# Altium PCB PCBOntwerp.PcbDoc
Units mil, origin at the board's own origin, x right, y up, seen from the top; angles counter-clockwise.
Board outline 7230 x 2841 mil, 2 copper layers (Top Layer, Bottom Layer); 26 components, 38 nets, 188 pads, 38 vias.
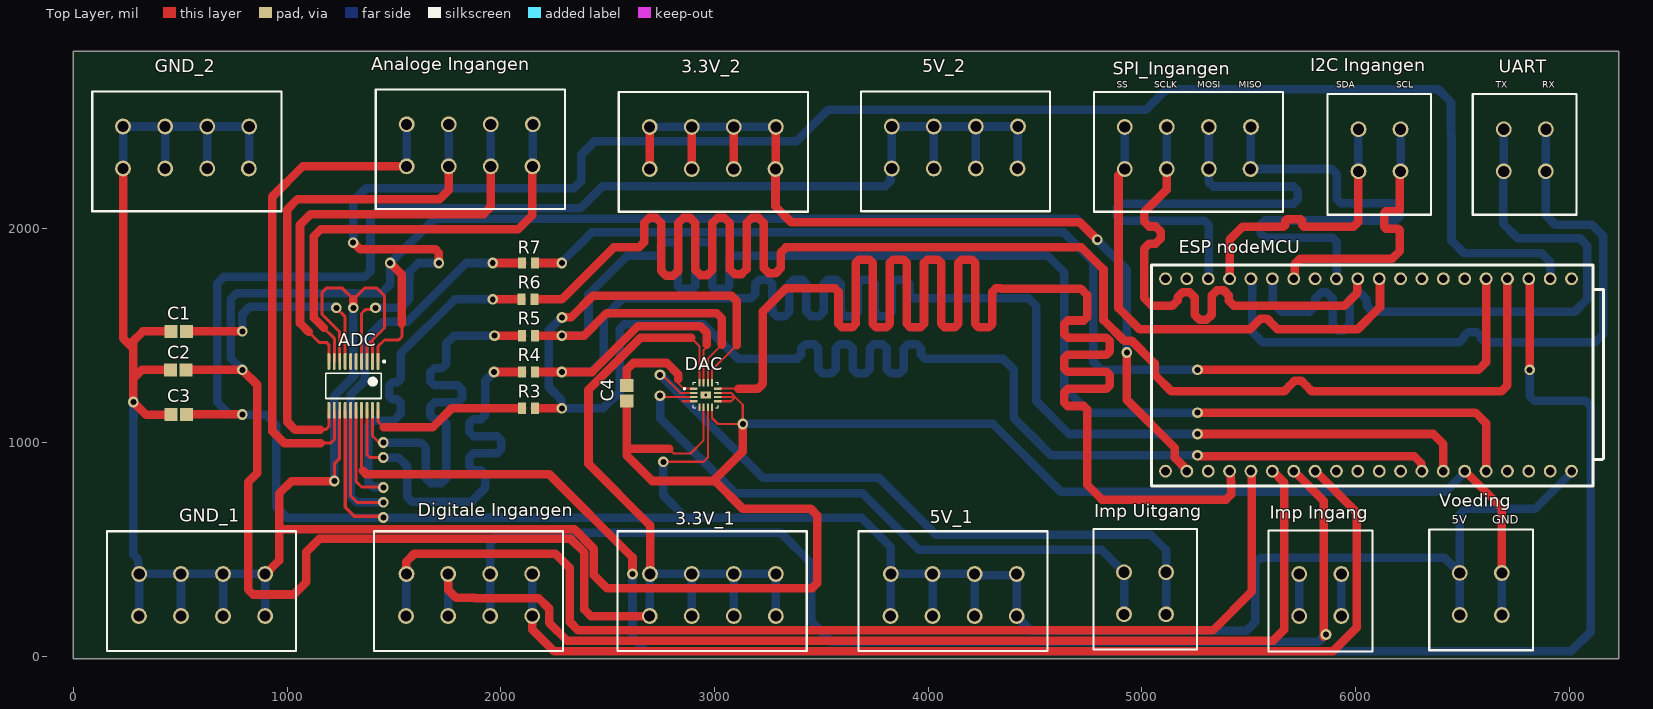
[diagram p0: Top Layer view]
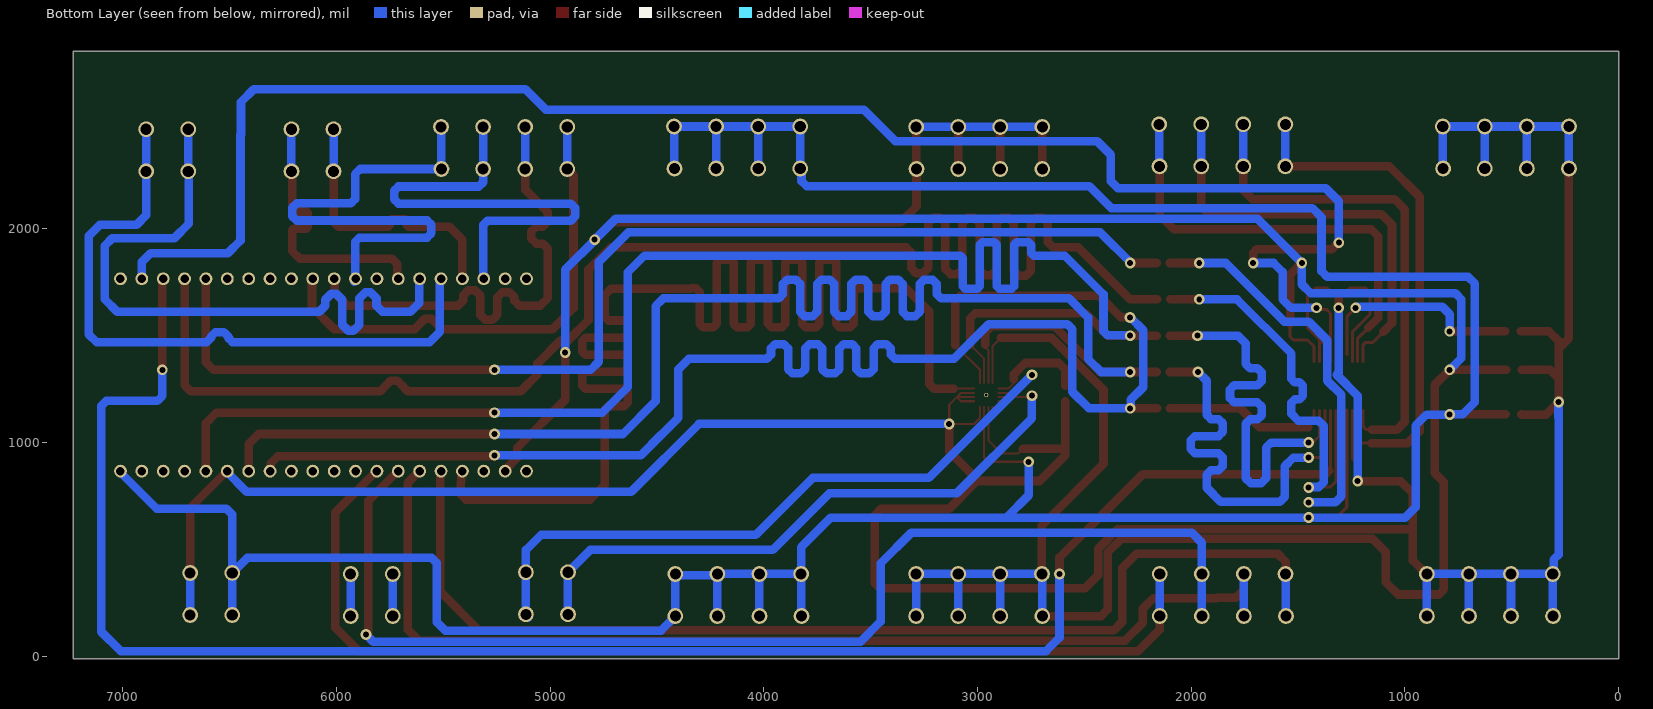
[diagram p1: Bottom Layer view, seen from below]
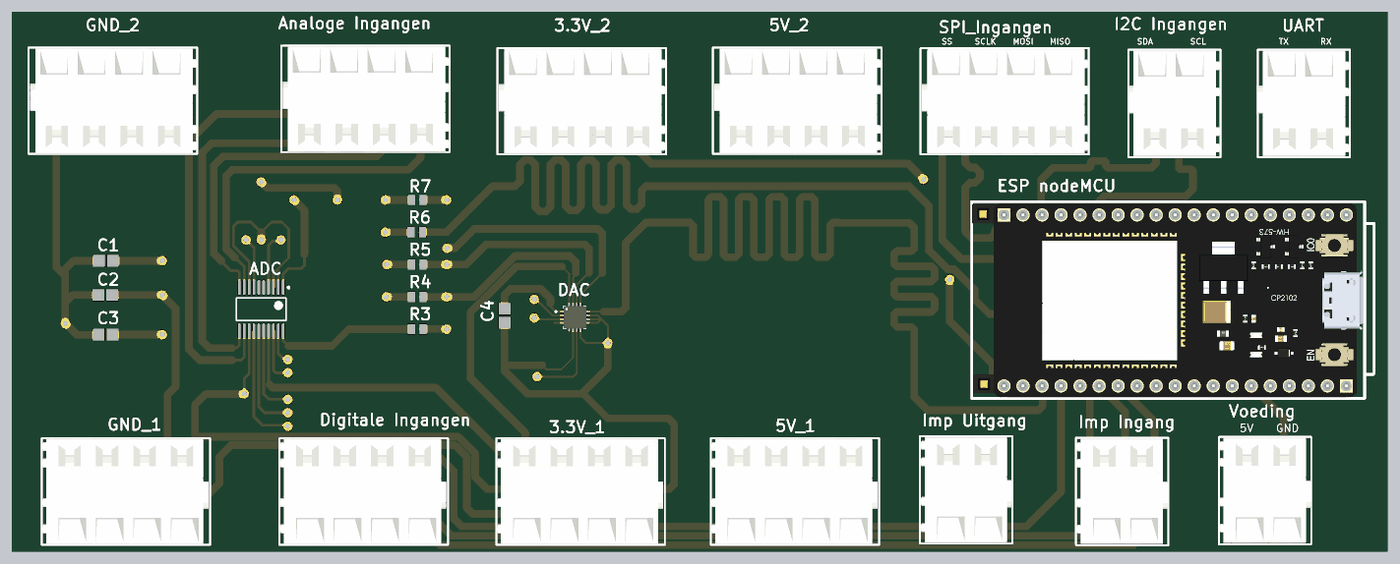
[diagram p2: 3D render of the assembled board from above, using the file's embedded part models]

## Layer stack, top to bottom
Top Solder: solder mask 0.4, Solder Resist, Dk 3.5
Top Layer: signal copper 1.4
Dielectric 1: dielectric 12.6, FR-4, Dk 4.8
Bottom Layer: signal copper 1.4
Bottom Solder: solder mask 0.4, Solder Resist, Dk 3.5

## Board outline
0,-11 7230,-11 7230,2830 0,2830

## Design rules (kind name [scope] priority, off if disabled: settings)
Clearance Clearance_1 [All] p1: gap=10 ignorepadtopadclearanceinfootprint=TRUE except(0: Arc-Hole Track-Hole SMDPad-Hole THPad-Hole Via-Hole Fill-Hole Poly-Hole Region-Hole Text-Hole; 4: Arc-Arc Arc-Track Arc-SMDPad Track-Track Track-SMDPad SMDPad-SMDPad)
Length "Net 19" [InNet('NetADC_19')] p1: maxlimit=2040 minlimit=2035
Length "Net 18" [InNet('NetADC_18')] p2: maxlimit=2040 minlimit=2035
Length "Net 16" [InNet('NetADC_16')] p3: maxlimit=2040 minlimit=2035
Length "SS DAC" [InNet('SS DAC')] p4: maxlimit=7520 minlimit=7510
Length SCLK [InNet('SCLK')] p5: maxlimit=7520 minlimit=7515
Length "SS ADC" [InNet('SS ADC')] p6: maxlimit=7520 minlimit=7515
Length MOSI [InNet('MOSI')] p7: maxlimit=7520 minlimit=7515
Length MISO [InNet('MISO')] p8: maxlimit=7520 minlimit=7515
Length "MISO OUTBOARD" [InNet('MISO OUTBOARD')] p9: maxlimit=2340 minlimit=2335
Length "MOSI OUTBOARD" [InNet('MOSI OUTBOARD')] p10: maxlimit=2340 minlimit=2335
Length "SCLK OUTBOARD" [InNet('SCLK OUTBOARD')] p11: maxlimit=2340 minlimit=2335
Length "SS OUTBOARD" [InNet('SS OUTBOARD')] p12: maxlimit=2340 minlimit=2335
Length "I2C SDA" [InNet('I2C SDA')] p13: maxlimit=1295 minlimit=1290
Length "I2C SCL" [InNet('I2C SCL')] p14: maxlimit=1295 minlimit=1290
Length TX [InNet('TX')] p15: maxlimit=3150 minlimit=3145
Length RX [InNet('RX')] p16: maxlimit=3150 minlimit=3145
PolygonConnect [All] p1: connectstyle=Relief reliefconductorwidth=10 reliefentries=4 polygonreliefangle="90 Angle" airgapwidth=10
RoutingVias [All] p1: holewidth=28 width=50 viastyle="Through Hole" minholewidth=28 minwidth=50 maxholewidth=28 maxwidth=50
SolderMaskExpansion [All] p1: expansion=4
Width [All] p1: maxlimit=40 minlimit=10 preferedwidth=14 minimp=50.000000 maximp=50.000000 favimp=50.000000
30 further rules are at their usual default settings.

## Components (designator, comment, footprint, x,y, rotation, side; value= is the part's Value field where it differs from the comment)
3.3V_1 "3.3V_4Pins" TBL007A-500-04GY#1 2696.3,385 r270 top
3.3V_2 "3.3V_4Pins_2" TBL007A-500-04GY#1 3286.85,2280 r90 top
5V_1 "5V_4pins" TBL007A-500-04GY#1 3823.15,385 r270 top
5V_2 "5V_4pins" TBL007A-500-04GY#1 4419.55,2282 r90 top
ADC "ADC1247smd" TI-PW20_M 1310,1265 r270 top
"Analoge Ingangen" "Analoge_Ingangen" TBL007A-500-04GY#1 2149.7,2292.15 r90 top
C1 "1uF" CAPC2013X94X50ML20T25 493.58,1520 r0 top
C2 "0.1 uF" CAPC2013X94X50ML20T25 490,1340 r180 top
C3 "0.1 uF" CAPC2013X94X50ML20T25 492,1131 r180 top
C4 "1nF" CAPC2013X94X50ML20T25 2589,1230.42 r270 top
DAC "DAC7051" QFN50P300X300X80-17N 2958.69,1222.47 r0 top
"Digitale Ingangen" "Digitale_Ingangen" TBL007A-500-04GY#1 1556.3,385 r270 top
"ESP nodeMCU" "ESP32_nodeMCU" esp32_nodemcu_v2 5110,866.17 r90 top
GND_1 "GND_4Pins" TBL007A-500-04GY#1 306.3,385 r270 top
GND_2 "GND_4Pins_2" TBL007A-500-04GY#2 822.7,2282 r90 top
"I2C Ingangen" "I2C_2Pins" TBL007A-500-02GY#1 6013,2466 r270 top
"Imp Ingang" "Impendance_In" TBL007A-500-02GY#2 5932.85,188 r90 top
"Imp Uitgang" "Impendance_Out" TBL007A-500-02GY#2 5112.85,196.15 r90 top
R3 "47 ohm" 754-RG2012N-470-W-T1 2130,1160 r0 top
R4 "47 ohm" 754-RG2012N-470-W-T1 2130,1330 r180 top
R5 "47 ohm" 754-RG2012N-470-W-T1 2130,1500 r180 top
R6 "47 ohm" 754-RG2012N-470-W-T1 2128,1670 r180 top
R7 "47 ohm" 754-RG2012N-470-W-T1 2130,1840 r180 top
SPI_Ingangen "SPI_ingang4Pins" TBL007A-500-04GY#1 5510,2280 r90 top
UART "UART_2PINS" TBL007A-500-02GY#2 6693,2466 r270 top
Voeding "Voeding" TBL007A-500-02GY#2 6684,193 r90 top

## Footprints (in the part's own frame and the unit in brackets; to place one, negate y for a bottom-side part, rotate by r counter-clockwise, add the part's x,y. Pads: shape width x height; smd on the part's side, far side on the other; paste and mask are expansions set on the pad)
754-RG2012N-470-W-T1 [mm] "Chip Resistor, 2-Leads, Body 2.00x1.25mm, IPC High Density"
  rect 0.95x1.35 smd: 1(-0.775,0) 2(0.775,0)
  body extent -1.1,-0.72 1.1,0.72, height 0.5
CAPC2013X94X50ML20T25 [mm] "Chip Capacitor, 2-Leads, Body 2.01x1.25mm, IPC Low Density"
  rect 1.55x1.55 smd: 1(-0.925,0) 2(0.925,0)
  body extent -1.1,-0.72 1.11,0.72, height 0.94
esp32_nodemcu_v2 [mil]
  round 60 hole 40: 1(0,-100) 2(0,-200) 3(0,-300) 4(0,-400) 5(0,-500) 6(0,-600) 7(0,-700) 8(0,-800) 9(0,-900) 10(0,-1000) 11(0,-1100) 12(0,-1200) 13(0,-1300) 14(0,-1400) 15(0,-1500) 16(0,-1600) 17(0,-1700) 18(0,-1800) 19(0,-1900) 20(900,-100) 21(900,-200) 22(900,-300) 23(900,-400) 24(900,-500) 25(900,-600) 26(900,-700) 27(900,-800) 28(900,-900) 29(900,-1000) 30(900,-1100) 31(900,-1200) 32(900,-1300) 33(900,-1400) 34(900,-1500) 35(900,-1600) 36(900,-1700) 37(900,-1800) 38(900,-1900) NVT(0,0) NVT(900,0)
  silkscreen extent -70,-2050 965,65, body extent -65,-1991 955,65, height 681
QFN50P300X300X80-17N [mm]
  rrect25% 0.89x0.26 smd: 1(-1.44,0.75) 2(-1.44,0.25) 3(-1.44,-0.25) 4(-1.44,-0.75) 9(1.44,-0.75) 10(1.44,-0.25) 11(1.44,0.25) 12(1.44,0.75)
  rrect25% 0.26x0.89 smd: 5(-0.75,-1.44) 6(-0.25,-1.44) 7(0.25,-1.44) 8(0.75,-1.44) 13(0.75,1.44) 14(0.25,1.44) 15(-0.25,1.44) 16(-0.75,1.44)
  rect 1.2x0.8 smd paste-2: 17(0,0)
  round 0.5 hole 0.3: 18(0,0)
  silkscreen extent -2.63,-1.5 1.5,1.5, body extent -1.5,-1.5 1.5,1.5, height 0.8
TBL007A-500-02GY#1 [mil]
  round 74 hole 52: 1(0,0) 2(0,196.85) 3(196.85,196.85) 4(196.85,0)
  silkscreen extent -165,-145 400,340, body extent -159,-145 396,335, height 504
TBL007A-500-02GY#2 [mil]
  round 74 hole 52: 1(0,0) 2(0,196.85) 4(196.85,0)
  round 73.82 hole 52: 3(196.85,196.85)
  silkscreen extent -165,-145 400,340, body extent -159,-145 396,335, height 504
TBL007A-500-04GY#1 [mil]
  round 74 hole 52: 1(0,1.85) 2(0,196.85) 3(0,393.7) 4(0,590.55) 5(196.85,590.55) 6(196.85,393.7) 7(196.85,196.85) 8(196.85,0)
  silkscreen extent -200,-150 360,735, body extent -200,-147 355,727, height 504
TBL007A-500-04GY#2 [mil]
  round 74 hole 52: 1(0,1.85) 2(0,196.85) 3(0,393.7) 4(0,590.55) 5(196.85,590.85) 6(196.85,393.7) 7(196.85,196.85) 8(196.85,0)
  silkscreen extent -200,-150 360,735, body extent -200,-147 355,727, height 504
TI-PW20_M [mm] "SOP, 20-Leads, Body 6.5x4.4mm, Pitch 0.65mm, IPC Low Density"
  oval 2x0.35 smd: 1(-2.9,2.925) 2(-2.9,2.275) 3(-2.9,1.625) 4(-2.9,0.975) 5(-2.9,0.325) 6(-2.9,-0.325) 7(-2.9,-0.975) 8(-2.9,-1.625) 9(-2.9,-2.275) 10(-2.9,-2.925) 11(2.9,-2.925) 12(2.9,-2.275) 13(2.9,-1.625) 14(2.9,-0.975) 15(2.9,-0.325) 16(2.9,0.325) 17(2.9,0.975) 18(2.9,1.625) 19(2.9,2.275) 20(2.9,2.925)
  silkscreen extent -3.02,-3.3 1.5,3.78, body extent -2.25,-3.3 2.25,3.3, height 1.2

## Part data
C1 C2 C3 C4: library part CMP-2007-04171-1, Manufacturer="AVX Interconnect / Elco", Part Number=08051C104JAT2A
R3 R4 R5 R6 R7: library part CMP-2001-04866-1, Manufacturer=Susumu, Part Number=RG2012N-470-W-T1

## Via types
v1: diameter 50, hole 28, Top Layer to Bottom Layer, 38 vias

## Nets (pads, with @x,y where several pads share a name; then routed paths per layer and width w, separated by ;. In a path a pad name is that pad's centre, name@x,y a point inside that pad or via, vN(x,y) a via of type N, cw(c..) or ccw(c..) an arc to the next point about the centre after c; other vN are vias at no path point)
3.3V: 3.3V_1.1 3.3V_1.2 3.3V_1.3 3.3V_1.4 3.3V_1.5 3.3V_1.6 3.3V_1.7 3.3V_1.8 3.3V_2.1 3.3V_2.2 3.3V_2.3 3.3V_2.4 3.3V_2.5 3.3V_2.6 3.3V_2.7 3.3V_2.8 "ESP nodeMCU.1" ADC.1 C2.1 DAC.16 | length 16504.3
  Top Layer w10: 2890,1490 2929.17,1450.83 DAC.16
  Top Layer w14: ADC.1 1425.16,1450.05 1455.11,1480 1521.8,1480 1537.12,1495.33 1537.12,1554.9
  Top Layer w40: C2.1 v1(790,1340) 860,1270 860,857 817,814 817,312.43 840.43,289 1031,289 1090,348 1090,489 1151,550 2326,550 2391,485 2391,218 2420.85,188.15 2673.3,188.15 3.3V_1.8@2684.8,176.65 ; v1(1482.23,1840) 1537.12,1785.1 1537.12,1554.9 ; 3.3V_2.4 3.3V_2.5 ; 3.3V_1.1 2698.15,612.28 2410,900.43 2410,1247.01 2652.99,1490 2890,1490 ; 3.3V_2.3 3.3V_2.6 ; 3.3V_2.2 3.3V_2.7 ; 3.3V_2.8 3285.93,2475.93 3285.93,2280.93 3.3V_2.1 3285,2105 3359,2031 4709,2031 v1(4791,1949) ; v1(4929,1421) 4929,1200 5154,975 5154,928.41 5212,870.41 5212,865 ; 5206.41,874.69 5211.83,874.69
  Bottom Layer w40: v1(790,1340) 735,1395 735,1670 764,1699 1441,1699 1482.23,1740.23 v1(1482.23,1840) 1689.23,2047 4692.59,2047 4790.59,1949 v1(4791,1949) 4791,1946.97 4929,1808.97 v1(4929,1421) ; 3.3V_1.8 2697.22,189.08 2697.22,384.08 3.3V_1.1 3.3V_1.2 ; 3.3V_2.5 3.3V_2.6 3.3V_2.7 3.3V_2.8 ; 3.3V_1.7 3.3V_1.2 ; 3.3V_1.6 3.3V_1.3 ; 3.3V_1.5 3.3V_1.4 3.3V_1.3 ; 3.3V_1.2 3.3V_1.3
5V: 5V_1.1 5V_1.2 5V_1.3 5V_1.4 5V_1.5 5V_1.6 5V_1.7 5V_1.8 5V_2.1 5V_2.2 5V_2.3 5V_2.4 5V_2.5 5V_2.6 5V_2.7 5V_2.8 "ESP nodeMCU.19" ADC.14 C3.1 DAC.7 Voeding.2 Voeding.3 | length 15824.8
  Top Layer w10: v1(2760,910) 2948.85,910 2968.54,929.68 DAC.7
  Top Layer w15: ADC.14 1271.61,697.39 1314.39,654.61 1444.39,654.61 v1(1450,649)
  Top Layer w40: C3.1@528.42,1131.9 v1@765.19,1131.9 ; 5V_1.1@3824.07,384.08 5V_1.1 ; 5V_1.4 5V_1.4@4416,382.7 ; 7006.17,862.35 7010,866.17
  Bottom Layer w40: v1(2760,910) 2760,753 2864,649 v1(1450,649) 998,649 950,697 950,1079 898,1131 v1(790,1131) 788.09,1132.91 728.09,1132.91 672,1189 672,1744 704,1776 1364,1776 1390,1802 1390,2054 1432.8,2096.8 2373.37,2096.8 2476.57,2200 3799.72,2200 3823.15,2223.43 3823.15,2276.15 5V_2.4 5V_2.5 5V_2.6 ; 2865,648 3687,648 3825,510 5V_1.1 ; 5V_1.8 3824.07,189.08 3824.07,384.08 5V_1.1 ; 5V_1.7 5V_1.2 ; 5V_2.3 5V_2.6 ; 5V_1.6 5V_1.3 ; 5V_2.2 5V_2.7 ; 5V_2.1 4418.62,2282.93 4418.62,2477.93 5V_2.8 5V_2.7 ; Voeding.2 Voeding.3 ; 7013.83,863.83 6841,691 6515,691 6487.15,663.15 Voeding.3 ; 5V_1.1 5V_1.2 ; 5V_1.2 5V_1.3 ; 5V_2.6 5V_2.7 ; 5V_1.3 4221.85,380 4408.7,380 5V_1.4 5V_1.5 4413.7,186.3 4480,120 5490,120 5530,160 5530,436.57 5553.43,460 6417,460 Voeding.3
A01: "Analoge Ingangen.1" "Analoge Ingangen.8" ADC.9 | length 2117.7
  Top Layer w14: 1171.75,1536.45 1220.43,1487.77 ADC.9
  Top Layer w40: 1171.75,1536.45 1125.28,1582.93 1125.28,1966.28 1158,1999 2082.34,1999 2147.85,2064.51 2147.85,2292.15 2148.78,2293.07 ; 2148.78,2488.07 2149.7,2489
  Bottom Layer w40: 2147.85,2292.15 2148.78,2293.07 2148.78,2488.07 2149.7,2489
A02: "Analoge Ingangen.2" "Analoge Ingangen.7" ADC.10 | length 2029.4
  Top Layer w14: 1100,1518.71 1151.21,1467.5 1185.3,1467.5 1194.84,1457.96 ADC.10
  Top Layer w40: 1100,1518.71 1060,1558.71 1060,2019 1110,2069 1919,2069 1952.85,2102.85 1952.85,2292.15
  Bottom Layer w40: 1952.85,2292.15 1952.85,2489
A03: "Analoge Ingangen.4" "Analoge Ingangen.5" ADC.12 | length 2438.5
  Top Layer w14: 1158,997 1203,997 1220.43,1014.43 ADC.12
  Top Layer w40: 1158,997 987,997 930,1054 930,2150 1072.15,2292.15 1559.15,2292.15
  Bottom Layer w40: 1559.15,2292.15 1559.15,2489
A04: "Analoge Ingangen.3" "Analoge Ingangen.6" ADC.11 | length 2387
  Top Layer w14: 1155,1060 1180,1060 1194.84,1074.84 ADC.11
  Top Layer w40: 1155,1060 1037,1060 1000,1097 1000,2090 1049,2139 1714,2139 1756,2181 1756,2292.15
  Bottom Layer w40: 1756,2292.15 1756,2489
D01: "Digitale Ingangen.1" "Digitale Ingangen.8" "ESP nodeMCU.4" | length 5159.1
  Top Layer w40: 1558.15,385 1558.15,443.15 1595,480 2255,480 2322,413 2322,161 2361.85,121.15 5331.9,121.15 5513.83,303.07 5513.83,863.83
  Bottom Layer w40: 1556.3,188.15 1557.22,189.08 1557.22,384.08 1558.15,385
D02: "Digitale Ingangen.2" "Digitale Ingangen.7" "ESP nodeMCU.5" | length 5102.8
  Top Layer w40: 1753.15,385 1753.15,310.85 1791,273 1879,273 1880,272 2176,272 2226,222 2226,156 2309,73 5614,73 5665.7,124.7 5665.7,811.95 5613.83,863.83
  Bottom Layer w40: 1753.15,188.15 1753.15,385
D03: "Digitale Ingangen.3" "Digitale Ingangen.6" "ESP nodeMCU.6" | length 5502.3
  Top Layer w40: 5713.83,863.83 5850,727.65 5850,91 v1(5861,102)
  Bottom Layer w40: 1950,188.15 1950,385 1950,531 1996.43,577.43 3309.63,577.43 3453,434.06 3453,162 3547,68 5827,68 v1(5861,102)
D04: "Digitale Ingangen.4" "Digitale Ingangen.5" "ESP nodeMCU.7" | length 5015.3
  Top Layer w40: 2146.85,188.15 2146.85,125.15 2249,23 2510,23 5894,23 6005,134 6005,672.65 5813.83,863.83
  Bottom Layer w40: 2146.85,188.15 2146.85,385
DRDY: "ESP nodeMCU.36" ADC.17 | length 8535.2
  Top Layer w14: 1348.39,868.61 ADC.17
  Top Layer w40: 1353.8,868.61 1370.41,852 2226,852 2616,462 v1@2616,393 ; v1(6813.83,1340) 6813.83,1763.83
  Bottom Layer w40: v1(2616,385) 2616,87 2679,24 7009,24 7100,115 7100,1171.57 7076.57,1195 6837.26,1195 6813.83,1218.43 v1(6813.83,1340)
GND: "ESP nodeMCU.14" ADC.2 ADC.3 ADC.8 ADC.13 C1.1 C2.2 C3.2 C4.2 DAC.6 DAC.8 DAC.9 DAC.10 DAC.11 GND_1.1 GND_1.2 GND_1.3 GND_1.4 GND_1.5 GND_1.6 GND_1.7 GND_1.8 GND_2.1 GND_2.2 GND_2.3 GND_2.4 GND_2.5 GND_2.6 GND_2.7 GND_2.8 Voeding.1 Voeding.4 | length 18537.5
  Top Layer w10: 2787.14,970.43 2808.57,949 2887.57,949 2948.85,1010.28 DAC.6 ; DAC.8 2988.22,1114.78 3016,1087 v1(3132,1087) 3132,1177 3096.37,1212.63 ; DAC.9 3076.68,1192.94 3096.37,1212.63 ; DAC.10 3096.37,1212.63 ; DAC.11 3076.69,1232.31 3096.37,1212.63
  Top Layer w14: v1(1220.43,820) 1220.43,900.43 1246.02,926.02 ADC.13 ; ADC.8 1246.02,1516.9 1164,1598.93 1164,1703 1185,1724 1256,1724 1310,1670 1364,1724 1417.69,1724 1455.11,1686.58 1455.11,1535.69 1373.98,1454.56 ADC.3 ; ADC.2 1399.57,1477.01
  Top Layer w40: GND_2.4 232.15,1487.85 280,1440 ; C2.2 320,1340 280,1300 ; C3.2@455.58,1131.9 453.68,1130 340,1130 v1(280,1190) 280,1300 ; C1.1 325,1520 280,1475 280,1440 ; GND_1.4@892.55,377.85 962.09,447.39 962.09,610 ; v1(1220.43,820) 1218.52,818.09 1019.09,818.09 962.09,761.09 962.09,610 ; v1(1310,1630) 1310,1670 ; C4.2 2589,970.43 ; 2787.14,970.43 2589,970.43 ; v1(3132,1087) 3132,958 2994,820 ; 6513.83,863.83 6684,693.65 Voeding.4 ; 280,1300 280,1440 ; 962.09,610 978.09,594 2344.23,594 2435,503.23 2435,380.15 2497.15,318 3456.57,318 3480,341.43 3480,660 3450,690 3132,690 3002,820 2994,820 ; 2589,970.43 2589,939.61 2708.61,820 2994,820
  Bottom Layer w40: GND_2.4 232,2282.15 232,2478.7 GND_2.5 GND_2.6 ; 281.91,1119.09 281.91,1188.09 v1(280,1190) 280,476 303.85,452.15 GND_1.1@303.85,385 ; GND_1.8 307.23,189.08 307.23,384.08 GND_1.1 GND_1.2 ; GND_2.3 GND_2.6 ; GND_1.7 GND_1.2 ; GND_2.2 GND_2.7 ; GND_1.6 GND_1.3 ; GND_2.1 821.78,2282.93 821.78,2477.93 GND_2.8 GND_2.7 ; GND_1.5 GND_1.4 GND_1.3 ; v1(1220.43,820) 1220.43,1218.43 1319,1317 1310,1326 v1(1310,1630) ; v1(3132,1087) 4303,1087 4620,770 6420,770 6513.83,863.83 ; Voeding.1 Voeding.4 ; GND_2.6 GND_2.7 ; GND_1.2 GND_1.3
"I2C SCL": "ESP nodeMCU.22" "I2C Ingangen.1" "I2C Ingangen.4" | length 1295
  Top Layer w40: 5410,1775.87 5410,1949 5471,2010 5630,2010 5662,2010 5670,2018 5670,2037.04 5678,2045.04 5742,2045.04 5750,2037.04 5750,2018 5758,2010 5950,2010 5989.57,2010 6013,2033.43 6013,2269.15
  Bottom Layer w40: 6013,2269.15 6013,2466
"I2C SDA": "ESP nodeMCU.25" "I2C Ingangen.2" "I2C Ingangen.3" | length 1294.1
  Top Layer w40: 5704.35,1763.52 5708.17,1767.35 ; 5713.83,1763.83 5713.83,1833.83 5740,1860 6170,1860 6206.85,1896.85 6206.85,1961 6206.85,1993 6198.85,2001 6140.9,2001 6132.9,2009 6132.9,2073 6140.9,2081 6198.85,2081 6206.85,2089 6206.85,2147 6206.85,2266.15 6209.85,2269.15
  Bottom Layer w40: 6209.85,2269.15 6209.85,2466
IMP0: "Imp Uitgang.1" "Imp Uitgang.4" DAC.2 | length 3192.9
  Top Layer w10: v1@2754,1317.09 2838.77,1232.31 DAC.2
  Bottom Layer w40: v1(2745,1317.09) 3227.09,835 3770,835 4037,568 5042,568 5112.85,497.15 5112.85,393 5112.85,196.15 ; 5102.75,179.73 5103.68,180.65
IMP1: "Imp Uitgang.2" "Imp Uitgang.3" DAC.3 | length 2931.1
  Top Layer w10: v1(2745,1219) 2751.25,1212.75 2901.88,1212.75 DAC.3
  Bottom Layer w40: v1(2745,1219) 2745,1114 3096.5,762.5 3692.5,762.5 3957.57,497.43 4811.57,497.43 4916,393 4916,196.15
IMP2: "Imp Ingang.1" "Imp Ingang.4" | length 196.9
  Bottom Layer w40: 5932.85,188 5932.85,384.85
IMP3: "Imp Ingang.2" "Imp Ingang.3" | length 201.9
  Bottom Layer w40: 5736,183 5736,188 5736,384.85
MISO: "ESP nodeMCU.13" DAC.15 R4.1 | length 7492
  Top Layer w10: DAC.15 2948.85,1432.03 2963,1446.18 2963,1457
  Top Layer w40: R4.1 v1(2285,1330) 2427,1330 2642,1545 2932.57,1545 2963,1514.57 2963,1457 ; v1(5260,1040) 6363,1040 6410,993 6410,875.87
  Bottom Layer w40: v1(2285,1330) 2421,1330 2482,1391 2482,1585 2572,1675 3150,1675 3170,1675 3190,1695 3190,1742.14 3210,1762.14 3250,1762.14 3270,1742.14 3270,1675 3270,1611.59 3290,1591.59 3330,1591.59 3350,1611.59 3350,1675 3350,1742.14 3370,1762.14 3410,1762.14 3430,1742.14 3430,1675 3430,1611.59 3450,1591.59 3490,1591.59 3510,1611.59 3510,1675 3510,1742.14 3530,1762.14 3570,1762.14 3590,1742.14 3590,1675 3590,1611.59 3610,1591.59 3650,1591.59 3670,1611.59 3670,1675 3670,1742.14 3690,1762.14 3730,1762.14 3750,1742.14 3750,1675 3750,1611.59 3770,1591.59 3810,1591.59 3830,1611.59 3830,1675 3830,1742.14 3850,1762.14 3890,1762.14 3910,1742.14 3910,1695 3930,1675 4380,1675 4469.57,1675 4506,1638.57 4506,1193 4659,1040 v1(5260,1040)
"MISO OUTBOARD": "ESP nodeMCU.27" SPI_Ingangen.1 SPI_Ingangen.8 | length 2340
  Top Layer w40: SPI_Ingangen.8@5509.07,2475.93 SPI_Ingangen.8 ; 5903.17,1765.35 5906.17,1762.35
  Bottom Layer w40: SPI_Ingangen.1 SPI_Ingangen.1@5509.07,2280.93 ; SPI_Ingangen.8 5509.07,2475.93 SPI_Ingangen.1@5509.07,2280.93 ; 5912,1775.87 5912,1919 5912,1939 5892,1959 5574.92,1959 5554.92,1979 5554.92,2019 5574.92,2039 5912,2039 6186.09,2039 6206.09,2059 6206.09,2099 6186.09,2119 5932,2119 5912,2139 5912,2238.5 5912,2256 5888,2280 5509.07,2280 SPI_Ingangen.1@5509.07,2280.93 ; 5915.83,1752.96 5915.83,1763.83
MOSI: "ESP nodeMCU.15" DAC.14 R5.1 | length 7492
  Top Layer w10: DAC.14 2968.54,1392.54 3033,1457
  Top Layer w40: R5.1 v1(2285,1500) 2389,1500 2495,1606 3009.57,1606 3033,1582.57 3033,1457 ; v1(5260,1140) 6560,1140 6610,1090 6610,875.87
  Bottom Layer w40: v1@2286.91,1500 2288.83,1501.91 2390.91,1501.91 2410,1521 2410,1693 2592,1875 2708.61,1875 2736.61,1875 2748.61,1887 2748.61,1926.09 2760.61,1938.09 2816.61,1938.09 2828.61,1926.09 2828.61,1875 2828.61,1731.91 2840.61,1719.91 2896.61,1719.91 2908.61,1731.91 2908.61,1875 2908.61,1926.09 2920.61,1938.09 2976.61,1938.09 2988.61,1926.09 2988.61,1875 2988.61,1731.91 3000.61,1719.91 3056.61,1719.91 3068.61,1731.91 3068.61,1863 3080.61,1875 3303,1875 4557.57,1875 4637,1795.57 4637,1258 4755,1140 v1(5260,1140)
"MOSI OUTBOARD": "ESP nodeMCU.21" SPI_Ingangen.2 SPI_Ingangen.7 | length 2340
  Bottom Layer w40: 5302.35,1775.87 5306.17,1772.04 ; 5312,1765 5312.57,1765.57 5312.57,1872 5312.57,2018 5292.57,2038 4902.77,2038 4882.77,2058 4882.77,2098 4902.77,2118 5312.57,2118 5709.04,2118 5729.04,2138 5729.04,2178 5709.04,2198 5332.57,2198 5312.57,2218 5312.57,2238 5312.57,2279.43 SPI_Ingangen.2 SPI_Ingangen.7
NetADC_7: ADC.7 C1.2 | length 1032.3
  Top Layer w14: v1(1230,1630) 1271.61,1588.39 ADC.7@1271.61,1411.54 ; v1@1230,1640 v1@1235,1635
  Top Layer w40: C1.2 v1(790,1520)
  Bottom Layer w40: v1(790,1520) 790,1600 825,1635 v1@1225,1635
NetADC_15: ADC.15 R7.2 | length 2374.4
  Top Layer w14: ADC.15 1297.2,750 1327.2,720 v1(1450,720)
  Top Layer w40: v1(1962,1840) R7.2
  Bottom Layer w40: v1(1450,720) 1326,720 1297,749 1297,1223.28 1363,1289.28 1363,1479 1450,1566 1564,1566 1838,1840 v1(1962,1840)
NetADC_16: ADC.16 R6.2 | length 2014.9
  Top Layer w14: ADC.16 1322.8,817 1347.8,792 1448,792 v1(1450,790)
  Top Layer w40: v1(1962,1670) R6.2
  Bottom Layer w40: v1(1450,790) 1448.09,791.91 1402.43,791.91 1379,815.34 1379,1077.57 1402.43,1101 1497.57,1101 1531,1134.43 1531,1162 1531,1186 1515,1202 1493.21,1202 1477.21,1218 1477.21,1266 1493.21,1282 1515,1282 1531,1298 1531,1314 1531,1357 1531,1416 1785,1670 v1(1962,1670)
NetADC_18: ADC.18 R4.2 | length 2012
  Top Layer w14: ADC.18 1373.98,943.2 1387.18,930 v1(1450,930)
  Top Layer w40: v1(1968.09,1330) R4.2
  Bottom Layer w40: v1(1450,930) 1451.91,928.09 1522.91,928.09 1562,889 1562,745.43 1585.43,722 1861,722 1927,788 1927,830 1927,850 1907,870 1871.73,870 1851.73,890 1851.73,930 1871.73,950 1927,950 1982.27,950 2002.27,970 2002.27,1010 1982.27,1030 1927,1030 1871.73,1030 1851.73,1050 1851.73,1090 1871.73,1110 1907,1110 1927,1130 1927,1181 1927,1288.91 v1(1968.09,1330)
NetADC_19: ADC.19 R5.2 | length 2012
  Top Layer w14: ADC.19 1399.57,1030.43 v1@1450,980
  Top Layer w40: v1(1970,1500) R5.2
  Bottom Layer w40: v1(1450,1000) 1625.57,1000 1649,976.57 1649,832.43 1672.43,809 1720.57,809 1744,832.43 1744,1068 1744,1088 1724,1108 1689.87,1108 1669.87,1128 1669.87,1168 1689.87,1188 1744,1188 1798.13,1188 1818.13,1208 1818.13,1248 1798.13,1268 1744,1268 1689.87,1268 1669.87,1288 1669.87,1328 1689.87,1348 1724,1348 1744,1368 1744,1464 1780,1500 v1(1970,1500)
NetADC_20: ADC.20 R3.1 | length 773.9
  Top Layer w14: ADC.20 1425.16,1098.84 1452,1072
  Top Layer w40: 1452,1072 1682,1072 1770,1160 R3.1
NetC4_1: C4.1 DAC.1 | length 474.3
  Top Layer w10: 2830,1296 2830,1278 2856,1252 DAC.1
  Top Layer w40: C4.1 2589,1342 2619.09,1372.09 2776.78,1372.09 2830,1318.87 2830,1296
RESET: "ESP nodeMCU.37" ADC.4 | length 8109.4
  Top Layer w14: ADC.4 1348.39,1603.39 1368.11,1623.11 1406.22,1623.11 v1(1413.11,1630)
  Top Layer w40: v1@1309,1936 1341,1904 1693,1904 1710,1887 v1(1710,1840) v1@1708.09,1841.91
  Bottom Layer w40: v1(1309,1935) 1309,2129 1370,2190 2342.57,2190 2376.43,2223.86 2376.43,2347 2439.28,2409.85 3383.85,2409.85 3532,2558 5020,2558 5115,2653 6386,2653 6446,2593 6446,2443.43 6448.43,2441 6448.43,1945.42 6507.85,1886 6869,1886 6910,1845 6910,1767.65 6913.83,1763.83 ; v1(1413.11,1630) 1532,1630 1572,1670 1572,1798 1614,1840 v1(1710,1840)
RX: "ESP nodeMCU.24" UART.1 UART.4 | length 3150
  Bottom Layer w40: 5612,1765 5612,1653 5653,1612 5772,1612 5784,1612 5812,1640 5812,1674.84 5840,1702.84 5864,1702.84 5892,1674.84 5892,1612 5892,1551.09 5920,1523.09 5944,1523.09 5972,1551.09 5972,1612 5972,1667.91 6000,1695.91 6024,1695.91 6052,1667.91 6052,1640 6080,1612 6291,1612 7025,1612 7084,1671 7084,1920 7048,1956 6758,1956 6691,2023 6691,2267.15 UART.4 UART.1
SCLK: "ESP nodeMCU.12" DAC.13 R3.2 | length 7478
  Top Layer w10: DAC.13 2988.22,1341.22 3103,1456
  Top Layer w40: R3.2@2159.51,1161 v1@2284,1161 ; v1(2286,1585) 2287.91,1586.91 2329.91,1586.91 2430,1687 3079.57,1687 3103,1663.57 3103,1456 ; v1@5263.3,936.57 6273.43,936.57 6306.17,903.83 6306.17,863.83 6310,860
  Bottom Layer w40: v1@2284.09,1586.91 v1(2286,1585) 2283.29,1585 2224,1525.71 2224,1259 2283.09,1199.91 2283.09,1161.91 v1(2285,1160) 2478,1160 2556,1238 2556,1530.57 2579.43,1554 2947,1554 3109,1392 3366,1392 3386,1392 3406,1412 3406,1440.65 3426,1460.65 3466,1460.65 3486,1440.65 3486,1392 3486,1343.35 3506,1323.35 3546,1323.35 3566,1343.35 3566,1392 3566,1440.65 3586,1460.65 3626,1460.65 3646,1440.65 3646,1392 3646,1343.35 3666,1323.35 3706,1323.35 3726,1343.35 3726,1392 3726,1440.65 3746,1460.65 3786,1460.65 3806,1440.65 3806,1392 3806,1343.35 3826,1323.35 3866,1323.35 3886,1343.35 3886,1392 3886,1440.65 3906,1460.65 3946,1460.65 3966,1440.65 3966,1412 3986,1392 4350,1392 4399,1343 4399,1116 4479,1036 4479.23,1036 4575.23,940 v1(5260,940)
"SCLK OUTBOARD": "ESP nodeMCU.28" SPI_Ingangen.3 SPI_Ingangen.6 | length 2340
  Top Layer w40: SPI_Ingangen.3 5115,2278.7 5115,2183 5010,2078 5010,2051 5010,2035 5034,2011 5063.59,2011 5087.59,1987 5087.59,1955 5063.59,1931 5034,1931 5010,1907 5010,1840 5010,1839.36 5010,1799.36 5010,1719.36 5010,1676.43 5046.43,1640 5086.43,1640 5142.43,1640 5166.43,1664 5166.43,1679.83 5190.43,1703.83 5222.43,1703.83 5246.43,1679.83 5246.43,1640 5246.43,1598 5270.43,1574 5302.43,1574 5326.43,1598 5326.43,1640 5326.43,1688.7 5350.43,1712.7 5382.43,1712.7 5406.43,1688.7 5406.43,1664 5430.43,1640 5870,1640 5947,1640 6008.17,1701.17 6008.17,1761.17 6012,1765
  Bottom Layer w40: SPI_Ingangen.3 SPI_Ingangen.6
"SS ADC": "ESP nodeMCU.35" R6.1 | length 7514.2
  Top Layer w40: R6.1 2285,1670 2528,1913 2630,1913 2646,1913 2670,1937 2670,2027.26 2694,2051.26 2726,2051.26 2750,2027.26 2750,1913 2750,1803.48 2774,1779.48 2806,1779.48 2830,1803.48 2830,1913 2830,2027.26 2854,2051.26 2886,2051.26 2910,2027.26 2910,1913 2910,1807.79 2934,1783.79 2966,1783.79 2990,1807.79 2990,1913 2990,2027.26 3014,2051.26 3046,2051.26 3070,2027.26 3070,1913 3070,1812.09 3094,1788.09 3126,1788.09 3150,1812.09 3150,1913 3150,2027.26 3174,2051.26 3206,2051.26 3230,2027.26 3230,1913 3230,1816.4 3254,1792.4 3286,1792.4 3310,1816.4 3310,1889 3334,1913 3750,1913 4716.57,1913 4820,1809.57 4820,1573 4917,1476 4951.78,1476 5057.78,1370 5059,1370 5059,1318 5137,1240 5650,1240 5666,1240 5690,1264 5690,1264.69 5714,1288.69 5746,1288.69 5770,1264.69 5770,1264 5794,1240 6080,1240 6682,1240 6710,1268 6710,1760
"SS DAC": "ESP nodeMCU.3" DAC.12 | length 7510.5
  Top Layer w10: DAC.12 3111,1252
  Top Layer w40: 3111,1252 3202.57,1252 3226,1275.43 3226,1614 3333,1721 3354,1721 3564,1721 3580,1705 3580,1554.91 3596,1538.91 3644,1538.91 3660,1554.91 3660,1721 3660,1840.23 3676,1856.23 3724,1856.23 3740,1840.23 3740,1721 3740,1554.91 3756,1538.91 3804,1538.91 3820,1554.91 3820,1721 3820,1840.23 3836,1856.23 3884,1856.23 3900,1840.23 3900,1721 3900,1554.91 3916,1538.91 3964,1538.91 3980,1554.91 3980,1721 3980,1840.23 3996,1856.23 4044,1856.23 4060,1840.23 4060,1721 4060,1554.91 4076,1538.91 4124,1538.91 4140,1554.91 4140,1721 4140,1840.23 4156,1856.23 4204,1856.23 4220,1840.23 4220,1721 4220,1554.91 4236,1538.91 4284,1538.91 4300,1554.91 4300,1705 4316,1721 4340,1721 4341,1720 4614,1720 4654,1720 4714,1720 4743,1691 4743,1651 4743,1587 4727,1571 4652.62,1571 4636.62,1555 4636.62,1507 4652.62,1491 4743,1491 4833.38,1491 4849.38,1475 4849.38,1427 4833.38,1411 4743,1411 4652.62,1411 4636.62,1395 4636.62,1347 4652.62,1331 4743,1331 4833.38,1331 4849.38,1315 4849.38,1267 4833.38,1251 4743,1251 4652.62,1251 4636.62,1235 4636.62,1187 4652.62,1171 4727,1171 4743,1155 4743,803 4813,733 4853,733 4872,733 5393.57,733 5417,756.43 5417,814.59 5415.83,815.76 5415.83,861.17 5412,865
"SS OUTBOARD": "ESP nodeMCU.29" SPI_Ingangen.4 SPI_Ingangen.5 | length 2340
  Top Layer w40: SPI_Ingangen.4 4890,2250.55 4890,1629 4989,1530 5490,1530 5506,1530 5530,1554 5530,1555.17 5554,1579.17 5586,1579.17 5610,1555.17 5610,1554 5634,1530 5870,1530 6010,1530 6113.83,1633.83 6113.83,1763.83
  Bottom Layer w40: SPI_Ingangen.4 SPI_Ingangen.5
START: "ESP nodeMCU.34" R7.1 | length 5447.5
  Top Layer w40: R7.1 v1@2282,1840 ; v1(5260,1340) 6574,1340 6610,1376 6610,1760
  Bottom Layer w40: v1@2282,1840 2425,1983 4634,1983 4772.22,1844.78 4772.22,1377.78 4810,1340 v1(5260,1340)
  other v1: 2285,1840
TX: "ESP nodeMCU.23" UART.2 UART.3 | length 3150
  Top Layer w40: 5510,1766.17 5513.83,1762.35
  Bottom Layer w40: 5512,1765 5515,1762 5515,1518 5563,1470 6466,1470 6486,1470 6506,1490 6506,1496.79 6526,1516.79 6566,1516.79 6586,1496.79 6586,1490 6606,1470 6630,1470 7122,1470 7158,1506 7158,1967 7105.85,2019.15 6933.85,2019.15 6889.85,2063.15 UART.3 UART.2
pads on no net: "ESP nodeMCU.2" "ESP nodeMCU.8" "ESP nodeMCU.9" "ESP nodeMCU.10" "ESP nodeMCU.11" "ESP nodeMCU.16" "ESP nodeMCU.17" "ESP nodeMCU.18" "ESP nodeMCU.20" "ESP nodeMCU.26" "ESP nodeMCU.30" "ESP nodeMCU.31" "ESP nodeMCU.32" "ESP nodeMCU.33" "ESP nodeMCU.38" "ESP nodeMCU.NVT" ADC.5 ADC.6 DAC.4 DAC.5 DAC.17 DAC.18
copper on no net: | length 63.5
  Top Layer w10: 2850.94,1192.94 2902,1192.94 ; 2929.17,1153.38 2929.17,1165.78

## Silkscreen, mask and mechanical layers (free items; w line width, h text height)
Top Overlay:
  text "SS" at 4883,2660 h30
  text "SCLK" at 5057,2660 h30
  text "MOSI" at 5258,2660 h30
  text "MISO" at 5452,2660 h30
  text "SDA" at 5910,2660 h30
  text "SCL" at 6190,2660 h30
  text "TX" at 6656,2660 h30
  text "RX" at 6874,2660 h30
  text "5V" at 6450,620 h40
  text "GND" at 6640,620 h40